# KiCad board gk.kicad_pcb (continued)
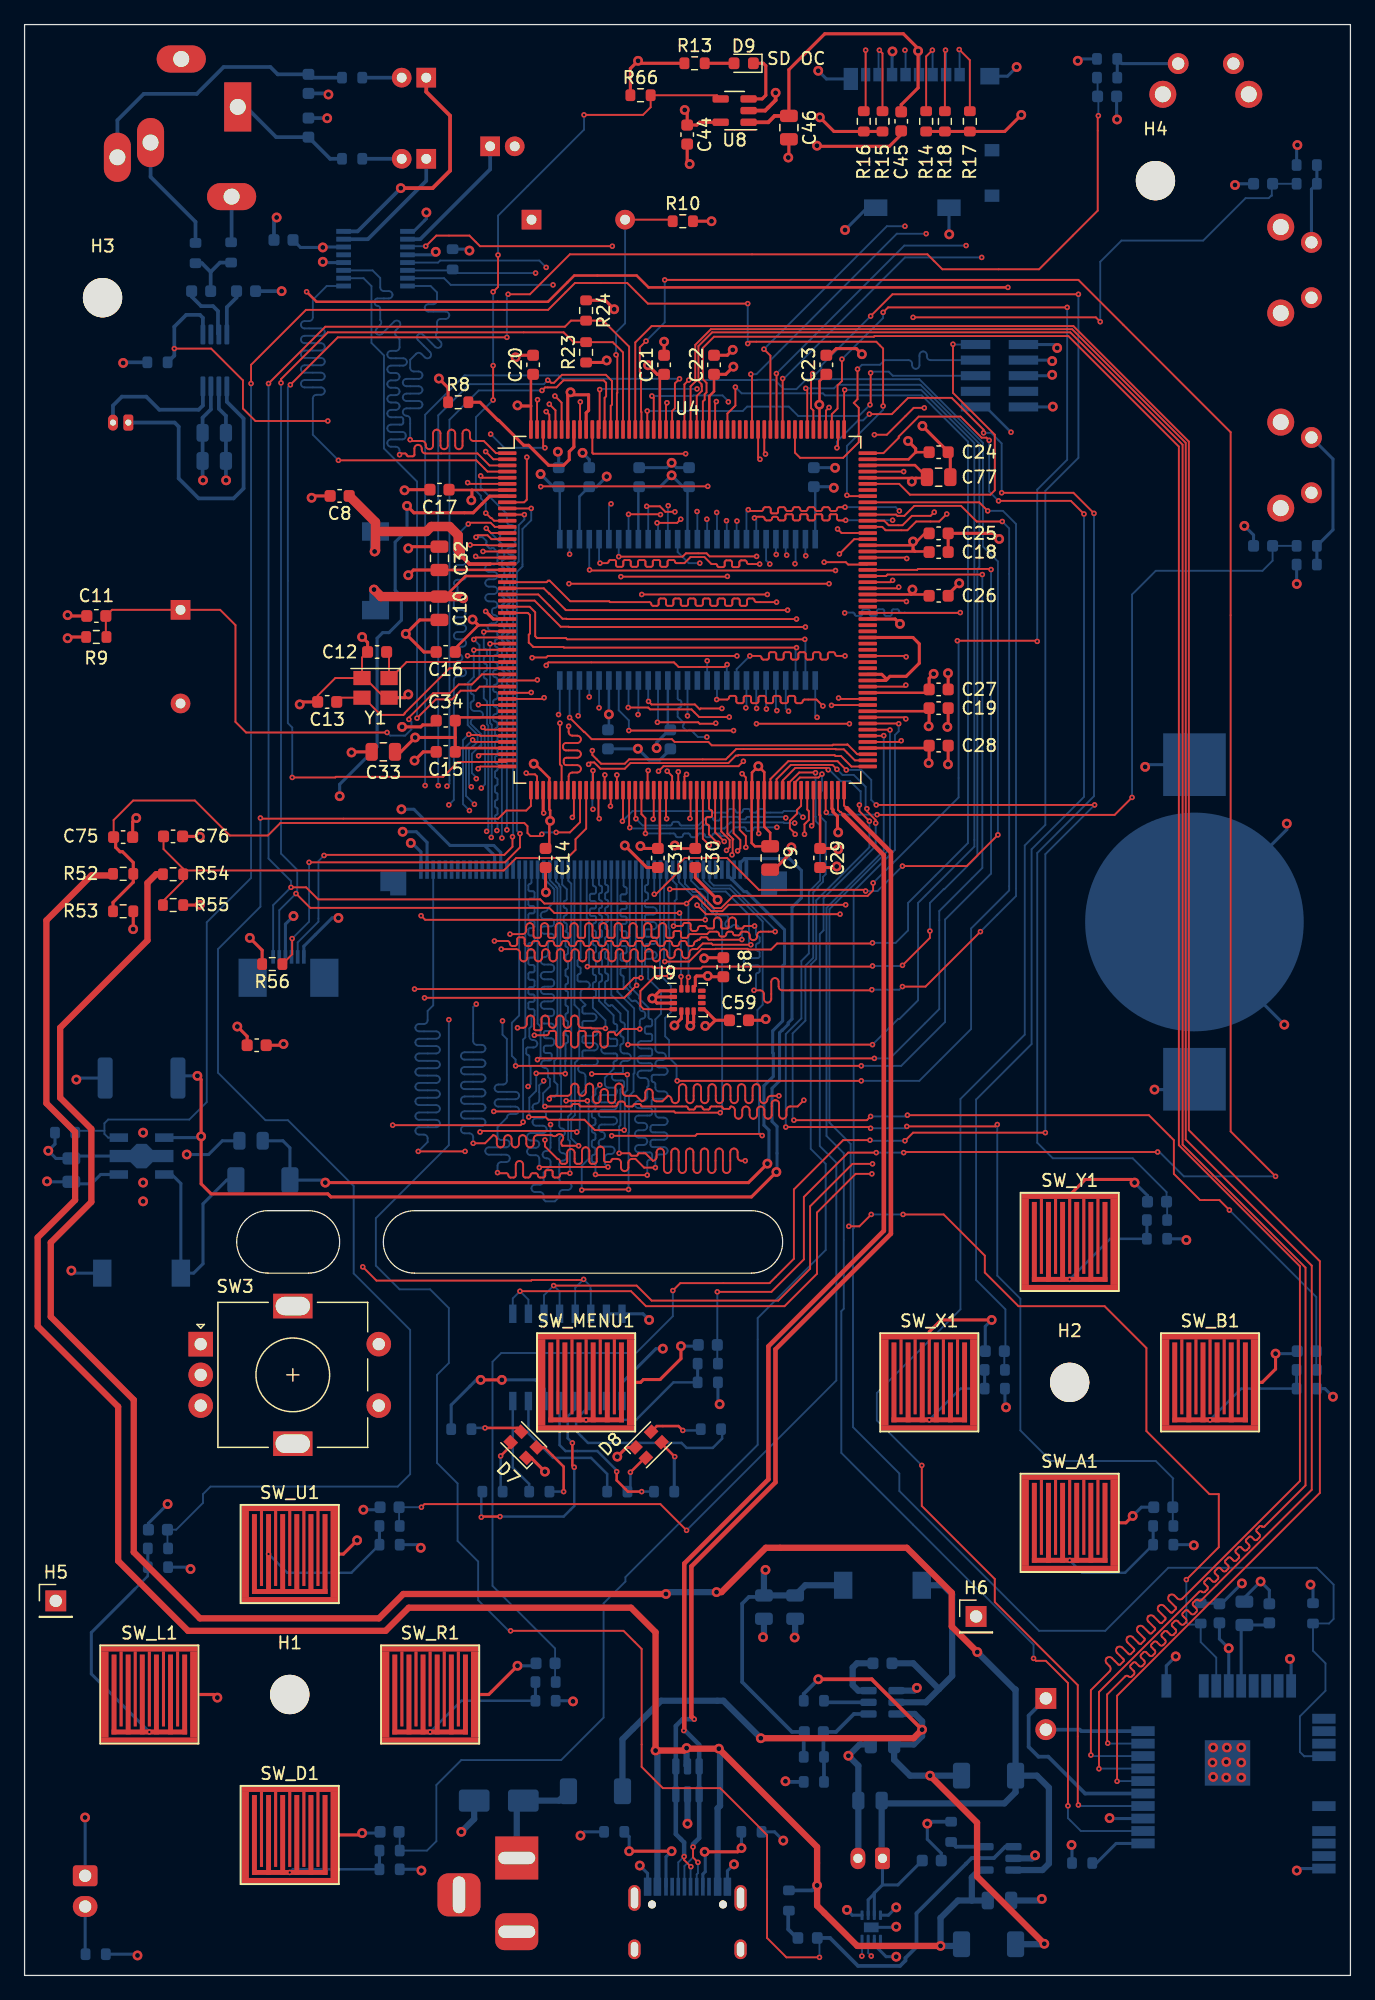
[diagram p0: board, top side]
## Routing (per net, layer and track width the routed paths; a pad name or vN(x,y) marks a point on that pad's centre or on a via; arc(x,y) is an arc through that point) (continued)
LTDC_G6: length 91.7
  Top w0.152: v2(36.76,117.04) 36.91,117.2 37.69,117.2 38.01,116.88 U4.15 ; v2(40.13,77.11) 40.59,77.11 arc(40.8,77.2) 40.89,77.41 40.89,77.81 arc(40.98,78.03) 41.19,78.11 arc(41.4,78.03) 41.49,77.81 41.49,77.01 arc(41.52,76.94) 41.59,76.91 41.99,76.91 arc(42.06,76.94) 42.09,77.01 42.09,77.81 arc(42.18,78.03) 42.39,78.11 arc(42.6,78.03) 42.69,77.81 42.69,77.41 arc(42.78,77.2) 42.99,77.11 arc(43.2,77.2) 43.29,77.41 43.29,77.81 arc(43.38,78.03) 43.59,78.11 arc(43.8,78.03) 43.89,77.81 43.89,77.41 arc(43.98,77.2) 44.19,77.11 arc(44.4,77.2) 44.49,77.41 44.49,77.81 arc(44.58,78.03) 44.79,78.11 arc(45,78.03) 45.09,77.81 45.09,77.41 arc(45.18,77.2) 45.39,77.11 46.13,77.11 46.18,77.06 v2(47.29,77.06)
  In3.Cu w0.152: v2(38.46,93.17) 38.46,92.15 38.71,91.9 38.71,87.53 38.76,87.48 38.76,86.41 40.13,85.04 40.13,83.97 arc(40.04,83.76) 39.83,83.67 39.53,83.67 arc(39.32,83.58) 39.23,83.37 arc(39.32,83.16) 39.53,83.07 39.83,83.07 arc(40.04,82.98) 40.13,82.77 arc(40.04,82.56) 39.83,82.47 39.48,82.47 arc(39.27,82.38) 39.18,82.17 arc(39.27,81.96) 39.48,81.87 39.83,81.87 arc(40.04,81.78) 40.13,81.57 arc(40.04,81.36) 39.83,81.27 39.48,81.27 arc(39.27,81.18) 39.18,80.97 arc(39.27,80.76) 39.48,80.67 39.83,80.67 arc(40.04,80.58) 40.13,80.37 arc(40.04,80.16) 39.83,80.07 39.48,80.07 arc(39.27,79.98) 39.18,79.77 arc(39.27,79.56) 39.48,79.47 39.83,79.47 arc(40.04,79.38) 40.13,79.17 arc(40.04,78.96) 39.83,78.87 39.48,78.87 arc(39.27,78.78) 39.18,78.57 arc(39.27,78.36) 39.48,78.27 39.83,78.27 arc(40.04,78.18) 40.13,77.97 v2(40.13,77.11)
  Bottom w0.152: v2(38.46,93.17) 38.51,93.22 38.51,93.73 arc(38.48,93.8) 38.41,93.83 arc(38.34,93.86) 38.31,93.93 38.31,94.33 arc(38.34,94.4) 38.41,94.43 arc(38.48,94.46) 38.51,94.53 38.51,94.93 arc(38.48,95) 38.41,95.03 arc(38.34,95.06) 38.31,95.13 38.31,95.53 arc(38.34,95.6) 38.41,95.63 arc(38.48,95.66) 38.51,95.73 38.51,96.13 arc(38.48,96.2) 38.41,96.23 arc(38.34,96.26) 38.31,96.33 38.31,96.73 arc(38.34,96.8) 38.41,96.83 arc(38.48,96.86) 38.51,96.93 38.51,97.33 arc(38.48,97.4) 38.41,97.43 arc(38.34,97.46) 38.31,97.53 38.31,97.93 arc(38.34,98) 38.41,98.03 arc(38.48,98.06) 38.51,98.13 38.51,98.53 arc(38.48,98.6) 38.41,98.63 arc(38.34,98.66) 38.31,98.73 38.31,99.13 arc(38.34,99.2) 38.41,99.23 arc(38.48,99.26) 38.51,99.33 38.51,99.73 arc(38.48,99.8) 38.41,99.83 arc(38.34,99.86) 38.31,99.93 38.31,100.33 arc(38.34,100.4) 38.41,100.43 arc(38.48,100.46) 38.51,100.53 38.51,100.81 arc(38.48,100.88) 38.41,100.91 arc(38.34,100.94) 38.31,101.01 38.31,101.41 arc(38.34,101.48) 38.41,101.51 arc(38.48,101.54) 38.51,101.61 38.51,101.86 arc(38.46,101.99) 38.33,102.04 arc(38.21,102.09) 38.16,102.21 38.16,102.46 arc(38.21,102.59) 38.33,102.64 arc(38.46,102.69) 38.51,102.81 38.51,103.06 arc(38.46,103.19) 38.33,103.24 arc(38.21,103.29) 38.16,103.41 38.16,103.66 arc(38.21,103.79) 38.33,103.84 arc(38.46,103.89) 38.51,104.01 38.51,104.26 arc(38.46,104.39) 38.33,104.44 arc(38.21,104.49) 38.16,104.61 38.16,104.86 arc(38.21,104.99) 38.33,105.04 arc(38.46,105.09) 38.51,105.21 38.51,105.46 arc(38.46,105.59) 38.33,105.64 arc(38.21,105.69) 38.16,105.81 38.16,106.06 arc(38.21,106.19) 38.33,106.24 arc(38.46,106.29) 38.51,106.41 38.51,106.66 arc(38.46,106.79) 38.33,106.84 arc(38.21,106.89) 38.16,107.01 38.16,107.26 arc(38.21,107.39) 38.33,107.44 arc(38.46,107.49) 38.51,107.61 38.51,108.01 arc(38.48,108.08) 38.41,108.11 arc(38.34,108.14) 38.31,108.21 38.31,108.61 arc(38.34,108.68) 38.41,108.71 arc(38.48,108.74) 38.51,108.81 38.51,109.11 arc(38.42,109.32) 38.21,109.41 38.01,109.41 arc(37.79,109.5) 37.71,109.71 arc(37.79,109.92) 38.01,110.01 38.21,110.01 arc(38.42,110.1) 38.51,110.31 38.51,110.46 arc(38.44,110.62) 38.28,110.69 arc(38.12,110.75) 38.06,110.91 38.06,111.06 arc(38.12,111.22) 38.28,111.29 arc(38.44,111.35) 38.51,111.51 arc(38.42,111.72) 38.21,111.81 37.81,111.81 arc(37.59,111.9) 37.51,112.11 arc(37.59,112.32) 37.81,112.41 38.21,112.41 arc(38.42,112.5) 38.51,112.71 arc(38.42,112.92) 38.21,113.01 37.81,113.01 arc(37.59,113.1) 37.51,113.31 arc(37.59,113.52) 37.81,113.61 38.21,113.61 arc(38.42,113.7) 38.51,113.91 arc(38.42,114.12) 38.21,114.21 37.81,114.21 arc(37.59,114.3) 37.51,114.51 arc(37.59,114.72) 37.81,114.81 38.21,114.81 arc(38.42,114.9) 38.51,115.11 38.51,115.82 38.19,116.14 arc(38.1,116.17) 38.02,116.14 arc(37.93,116.1) 37.84,116.14 37.59,116.38 arc(37.56,116.47) 37.59,116.56 arc(37.63,116.65) 37.59,116.74 37.29,117.04 v2(36.76,117.04) ; v2(47.29,77.06) 47.29,77.72 46.27,78.75 46.27,79.5 arc(46.31,79.59) 46.39,79.62 arc(46.48,79.66) 46.52,79.75 46.52,80.1 arc(46.48,80.19) 46.39,80.22 arc(46.31,80.26) 46.27,80.35 46.27,80.7 arc(46.31,80.79) 46.39,80.82 arc(46.48,80.86) 46.52,80.95 46.52,81.3 arc(46.48,81.39) 46.39,81.42 arc(46.31,81.46) 46.27,81.55 46.27,81.9 arc(46.31,81.99) 46.39,82.02 arc(46.48,82.06) 46.52,82.15 46.52,82.5 arc(46.48,82.59) 46.39,82.62 arc(46.31,82.66) 46.27,82.75 46.27,83.1 arc(46.31,83.19) 46.39,83.22 arc(46.48,83.26) 46.52,83.35 46.52,83.7 arc(46.48,83.79) 46.39,83.82 arc(46.31,83.86) 46.27,83.95 46.27,84.3 arc(46.31,84.39) 46.39,84.42 arc(46.48,84.46) 46.52,84.55 46.52,84.9 arc(46.48,84.99) 46.39,85.02 arc(46.31,85.06) 46.27,85.15 46.27,85.5 arc(46.31,85.59) 46.39,85.62 arc(46.48,85.66) 46.52,85.75 46.52,86.1 arc(46.48,86.19) 46.39,86.22 46.14,86.22 arc(46.06,86.26) 46.02,86.35 46.02,86.7 arc(46.06,86.79) 46.14,86.82 46.39,86.82 arc(46.48,86.86) 46.52,86.95 46.52,87.3 arc(46.48,87.39) 46.39,87.42 46.14,87.42 arc(46.06,87.46) 46.02,87.55 46.02,87.9 arc(46.06,87.99) 46.14,88.02 46.39,88.02 arc(46.48,88.06) 46.52,88.15 46.52,88.5 arc(46.48,88.59) 46.39,88.62 arc(46.31,88.66) 46.27,88.75 J3.26
LTDC_G7: length 98.6
  Top w0.152: v2(45.82,82.09) 51.1,82.09 51.21,81.99 52.93,81.99 52.98,81.94 55.07,81.94 55.22,82.09 68.98,82.09 v2(69.04,82.14) ; v2(73.71,84.99) 73.71,84.43 v2(71.48,82.19) ; U4.163 63.72,129.03 v2(63.6,129.15)
  Bottom w0.152: v2(63.6,129.15) 65.9,129.15 66.19,129.44 72.95,129.44 77.74,124.65 77.74,114.62 77.57,114.45 77.57,91.08 74.88,88.39 74.83,88.39 73.71,87.27 v2(73.71,84.99) ; v2(45.82,82.09) 45.96,82.23 45.96,85.86 45.77,86.05 J3.27 ; v2(71.48,82.19) 71.42,82.14 v2(69.04,82.14)
LTDC_HYSNC: length 92.6
  Top w0.152: v2(37.59,117.75) 37.97,117.38 U4.14
  In3.Cu w0.152: v2(41,72.34) 41,73.39 arc(40.91,73.6) 40.7,73.69 arc(40.48,73.77) 40.4,73.99 arc(40.48,74.2) 40.7,74.29 41.17,74.29 arc(41.29,74.34) 41.35,74.46 41.35,74.71 arc(41.29,74.83) 41.17,74.89 40.3,74.89 arc(40.08,74.97) 40,75.19 arc(40.08,75.4) 40.3,75.49 41.7,75.49 arc(41.91,75.57) 42,75.79 arc(41.91,76) 41.7,76.09 40.3,76.09 arc(40.08,76.17) 40,76.39 arc(40.08,76.6) 40.3,76.69 41.1,76.69 arc(41.17,76.72) 41.2,76.79 41.2,77.19 arc(41.17,77.26) 41.1,77.29 40.7,77.29 arc(40.48,77.37) 40.4,77.59 arc(40.48,77.8) 40.7,77.89 41.12,77.89 arc(41.21,77.92) 41.25,78.01 41.25,78.36 arc(41.21,78.45) 41.12,78.49 40.7,78.49 arc(40.48,78.57) 40.4,78.79 arc(40.48,79) 40.7,79.09 41.12,79.09 arc(41.21,79.12) 41.25,79.21 41.25,79.56 arc(41.21,79.65) 41.12,79.69 40.7,79.69 arc(40.48,79.77) 40.4,79.99 arc(40.48,80.2) 40.7,80.29 41.12,80.29 arc(41.21,80.32) 41.25,80.41 41.25,80.76 arc(41.21,80.85) 41.12,80.89 40.7,80.89 arc(40.48,80.97) 40.4,81.19 arc(40.48,81.4) 40.7,81.49 41.12,81.49 arc(41.21,81.52) 41.25,81.61 41.25,81.96 arc(41.21,82.05) 41.12,82.09 40.7,82.09 arc(40.48,82.17) 40.4,82.39 arc(40.48,82.6) 40.7,82.69 41.12,82.69 arc(41.21,82.72) 41.25,82.81 41.25,83.16 arc(41.21,83.25) 41.12,83.29 40.7,83.29 arc(40.48,83.37) 40.4,83.59 arc(40.48,83.8) 40.7,83.89 arc(40.91,83.97) 41,84.19 41,84.84 40.48,85.35 arc(40.41,85.38) 40.34,85.35 arc(40.27,85.32) 40.2,85.35 39.91,85.64 arc(39.88,85.71) 39.91,85.78 40.13,85.99 arc(40.18,86.13) 40.13,86.27 39.98,86.41 arc(39.84,86.47) 39.7,86.41 39.49,86.2 arc(39.42,86.17) 39.35,86.2 39.07,86.48 arc(39.04,86.55) 39.07,86.62 arc(39.09,86.7) 39.07,86.77 39.07,92 38.86,92.2 v2(38.86,92.56)
  Bottom w0.152: v2(41,72.34) 41.2,72.54 41.2,73.91 41.1,74.02 41.1,74.79 arc(41.06,74.88) 40.97,74.91 arc(40.88,74.95) 40.85,75.04 40.85,75.39 arc(40.88,75.48) 40.97,75.51 41.45,75.51 arc(41.66,75.6) 41.75,75.81 arc(41.66,76.03) 41.45,76.11 41.4,76.11 arc(41.19,76.2) 41.1,76.41 41.1,77.06 41.27,77.24 41.27,77.9 arc(41.31,77.99) 41.39,78.03 arc(41.48,78.06) 41.52,78.15 41.52,78.5 arc(41.48,78.59) 41.39,78.63 41.14,78.63 arc(41.06,78.66) 41.02,78.75 41.02,79.1 arc(41.06,79.19) 41.14,79.23 41.39,79.23 arc(41.48,79.26) 41.52,79.35 41.52,79.7 arc(41.48,79.79) 41.39,79.83 41.14,79.83 arc(41.06,79.86) 41.02,79.95 41.02,80.3 arc(41.06,80.39) 41.14,80.43 41.39,80.43 arc(41.48,80.46) 41.52,80.55 41.52,80.9 arc(41.48,80.99) 41.39,81.03 41.14,81.03 arc(41.06,81.06) 41.02,81.15 41.02,81.5 arc(41.06,81.59) 41.14,81.63 41.39,81.63 arc(41.48,81.66) 41.52,81.75 41.52,82.1 arc(41.48,82.19) 41.39,82.23 41.14,82.23 arc(41.06,82.26) 41.02,82.35 41.02,82.7 arc(41.06,82.79) 41.14,82.83 41.39,82.83 arc(41.48,82.86) 41.52,82.95 41.52,83.3 arc(41.48,83.39) 41.39,83.43 41.14,83.43 arc(41.06,83.46) 41.02,83.55 41.02,83.9 arc(41.06,83.99) 41.14,84.03 41.39,84.03 arc(41.48,84.06) 41.52,84.15 41.52,84.5 arc(41.48,84.59) 41.39,84.63 41.14,84.63 arc(41.06,84.66) 41.02,84.75 41.02,85.1 arc(41.06,85.19) 41.14,85.23 41.39,85.23 arc(41.48,85.26) 41.52,85.35 41.52,85.7 arc(41.48,85.79) 41.39,85.83 41.14,85.83 arc(41.06,85.86) 41.02,85.95 41.02,86.3 arc(41.06,86.39) 41.14,86.43 41.39,86.43 arc(41.48,86.46) 41.52,86.55 41.52,86.9 arc(41.48,86.99) 41.39,87.03 41.14,87.03 arc(41.06,87.06) 41.02,87.15 41.02,87.5 arc(41.06,87.59) 41.14,87.63 41.39,87.63 arc(41.48,87.66) 41.52,87.75 41.52,88.1 arc(41.48,88.19) 41.39,88.23 41.14,88.23 arc(41.06,88.26) 41.02,88.35 41.02,88.7 arc(41.06,88.79) 41.14,88.83 arc(41.23,88.86) 41.27,88.95 J3.36 ; v2(37.59,117.75) 38.86,116.48 38.86,115.87 arc(38.89,115.8) 38.96,115.77 arc(39.03,115.75) 39.06,115.67 39.06,115.27 arc(39.03,115.2) 38.96,115.17 arc(38.89,115.15) 38.86,115.07 38.86,114.67 arc(38.89,114.6) 38.96,114.57 arc(39.03,114.55) 39.06,114.47 39.06,114.07 arc(39.03,114) 38.96,113.97 arc(38.89,113.95) 38.86,113.87 38.86,113.47 arc(38.89,113.4) 38.96,113.37 arc(39.03,113.35) 39.06,113.27 39.06,112.87 arc(39.03,112.8) 38.96,112.77 arc(38.89,112.75) 38.86,112.67 38.86,112.27 arc(38.89,112.2) 38.96,112.17 arc(39.03,112.15) 39.06,112.07 39.06,111.67 arc(39.03,111.6) 38.96,111.57 arc(38.89,111.55) 38.86,111.47 38.86,111.07 arc(38.89,111) 38.96,110.97 arc(39.03,110.95) 39.06,110.87 39.06,110.47 arc(39.03,110.4) 38.96,110.37 arc(38.89,110.35) 38.86,110.27 38.86,109.87 arc(38.89,109.8) 38.96,109.77 arc(39.03,109.75) 39.06,109.67 39.06,109.27 arc(39.03,109.2) 38.96,109.17 arc(38.89,109.15) 38.86,109.07 38.86,108.67 arc(38.89,108.6) 38.96,108.57 arc(39.03,108.55) 39.06,108.47 39.06,108.07 arc(39.03,108) 38.96,107.97 arc(38.89,107.95) 38.86,107.87 38.86,107.47 arc(38.89,107.4) 38.96,107.37 arc(39.03,107.35) 39.06,107.27 39.06,106.87 arc(39.03,106.8) 38.96,106.77 arc(38.89,106.75) 38.86,106.67 38.86,106.27 arc(38.89,106.2) 38.96,106.17 arc(39.03,106.15) 39.06,106.07 39.06,105.67 arc(39.03,105.6) 38.96,105.57 arc(38.89,105.55) 38.86,105.47 38.86,105.07 arc(38.89,105) 38.96,104.97 arc(39.03,104.95) 39.06,104.87 39.06,104.47 arc(39.03,104.4) 38.96,104.37 arc(38.89,104.35) 38.86,104.27 v2(38.86,92.56)
LTDC_R0: length 92.4
  Top w0.152: v2(44.96,68.63) 44.87,68.72 37.17,68.72 v2(37.08,68.63) ; v2(36.48,100.54) 36.64,100.38 U4.48
  In3.Cu w0.152: v2(37.08,68.63) 37.54,69.09 37.54,69.88 arc(37.45,70.09) 37.24,70.18 36.84,70.18 arc(36.63,70.27) 36.54,70.48 arc(36.63,70.69) 36.84,70.78 37.74,70.78 arc(37.88,70.84) 37.94,70.98 37.94,71.18 arc(37.88,71.32) 37.74,71.38 36.84,71.38 arc(36.63,71.47) 36.54,71.68 arc(36.63,71.89) 36.84,71.98 37.74,71.98 arc(37.88,72.04) 37.94,72.18 37.94,72.38 arc(37.88,72.52) 37.74,72.58 36.84,72.58 arc(36.63,72.67) 36.54,72.88 arc(36.63,73.09) 36.84,73.18 37.74,73.18 arc(37.88,73.24) 37.94,73.38 37.94,73.58 arc(37.88,73.72) 37.74,73.78 36.84,73.78 arc(36.63,73.87) 36.54,74.08 arc(36.63,74.29) 36.84,74.38 37.74,74.38 arc(37.88,74.44) 37.94,74.58 37.94,74.78 arc(37.88,74.92) 37.74,74.98 36.84,74.98 arc(36.63,75.07) 36.54,75.28 arc(36.63,75.49) 36.84,75.58 37.74,75.58 arc(37.88,75.64) 37.94,75.78 37.94,75.98 arc(37.88,76.12) 37.74,76.18 36.84,76.18 arc(36.63,76.27) 36.54,76.48 arc(36.63,76.69) 36.84,76.78 37.74,76.78 arc(37.88,76.84) 37.94,76.98 37.94,77.18 arc(37.88,77.32) 37.74,77.38 36.84,77.38 arc(36.63,77.47) 36.54,77.68 arc(36.63,77.89) 36.84,77.98 37.24,77.98 arc(37.45,78.07) 37.54,78.28 37.54,79.15 36.36,80.33 36.36,93.79 36.65,94.08 36.65,95.28 v2(36.63,95.3)
  Bottom w0.152: v2(36.48,100.54) 35.94,99.99 35.94,95.99 v2(36.63,95.3) ; v2(44.96,68.63) 45.2,68.87 45.2,71.63 45.67,72.1 45.67,73.17 arc(45.58,73.38) 45.37,73.47 arc(45.16,73.56) 45.07,73.77 arc(45.16,73.98) 45.37,74.07 46.37,74.07 arc(46.58,74.16) 46.67,74.37 arc(46.58,74.58) 46.37,74.67 45.54,74.67 arc(45.46,74.71) 45.42,74.79 45.42,75.14 arc(45.46,75.23) 45.54,75.27 46.37,75.27 arc(46.58,75.36) 46.67,75.57 arc(46.58,75.78) 46.37,75.87 45.54,75.87 arc(45.46,75.91) 45.42,75.99 45.42,76.34 arc(45.46,76.43) 45.54,76.47 46.37,76.47 arc(46.58,76.56) 46.67,76.77 arc(46.58,76.98) 46.37,77.07 45.54,77.07 arc(45.46,77.11) 45.42,77.19 45.42,77.54 arc(45.46,77.63) 45.54,77.67 46.27,77.67 arc(46.48,77.76) 46.57,77.97 arc(46.48,78.18) 46.27,78.27 45.54,78.27 arc(45.46,78.31) 45.42,78.39 45.42,78.74 arc(45.46,78.83) 45.54,78.87 arc(45.63,78.91) 45.67,78.99 45.27,79.39 45.27,79.98 arc(45.36,80.19) 45.57,80.28 45.72,80.28 arc(45.93,80.37) 46.02,80.58 arc(45.93,80.79) 45.72,80.88 45.14,80.88 arc(45.06,80.92) 45.02,81 45.02,81.35 arc(45.06,81.44) 45.14,81.48 arc(45.23,81.52) 45.27,81.6 45.27,81.95 arc(45.23,82.04) 45.14,82.08 arc(45.06,82.12) 45.02,82.2 45.02,82.55 arc(45.06,82.64) 45.14,82.68 arc(45.23,82.72) 45.27,82.8 J3.28
LTDC_R1: length 99.6
  Top w0.152: v2(45.11,67.51) 43.79,67.51 43.77,67.53 arc(43.69,67.74) 43.77,67.95 arc(43.86,68.16) 43.77,68.38 arc(43.56,68.46) 43.35,68.38 arc(43.14,68.29) 42.93,68.38 41.75,68.38 arc(41.54,68.29) 41.45,68.08 41.45,67.68 arc(41.36,67.46) 41.15,67.38 arc(40.94,67.46) 40.85,67.68 40.85,68.08 arc(40.76,68.29) 40.55,68.38 arc(40.34,68.29) 40.25,68.08 40.25,67.68 arc(40.16,67.46) 39.95,67.38 arc(39.74,67.46) 39.65,67.68 39.65,68.08 arc(39.56,68.29) 39.35,68.38 arc(39.14,68.29) 39.05,68.08 39.05,67.68 arc(38.96,67.46) 38.75,67.38 arc(38.54,67.46) 38.45,67.68 38.45,68.08 arc(38.36,68.29) 38.15,68.38 37.49,67.72 v2(36.53,67.72) ; U4.47 37.1,100.88 37.03,100.94 36.22,100.94 v2(36.17,100.99)
  In3.Cu w0.152: v2(36.78,79.04) 36.12,79.71 arc(36.07,79.81) 35.97,79.86 arc(35.86,79.9) 35.82,80.01 35.82,80.31 arc(35.86,80.41) 35.97,80.46 arc(36.07,80.5) 36.12,80.61 36.12,80.91 arc(36.07,81.01) 35.97,81.06 arc(35.86,81.1) 35.82,81.21 35.82,81.51 arc(35.86,81.61) 35.97,81.66 arc(36.07,81.7) 36.12,81.81 36.12,82.11 arc(36.07,82.21) 35.97,82.26 arc(35.86,82.3) 35.82,82.41 35.82,82.71 arc(35.86,82.81) 35.97,82.86 arc(36.07,82.9) 36.12,83.01 36.12,83.31 arc(36.07,83.41) 35.97,83.46 arc(35.86,83.5) 35.82,83.61 35.82,83.91 arc(35.86,84.01) 35.97,84.06 arc(36.07,84.1) 36.12,84.21 36.12,84.51 arc(36.07,84.61) 35.97,84.66 arc(35.86,84.7) 35.82,84.81 35.82,85.11 arc(35.86,85.21) 35.97,85.26 arc(36.07,85.3) 36.12,85.41 36.12,85.71 arc(36.07,85.81) 35.97,85.86 arc(35.86,85.9) 35.82,86.01 35.82,86.31 arc(35.86,86.41) 35.97,86.46 arc(36.07,86.5) 36.12,86.61 36.12,86.91 arc(36.07,87.01) 35.97,87.06 arc(35.86,87.1) 35.82,87.21 35.82,87.51 arc(35.86,87.61) 35.97,87.66 arc(36.07,87.7) 36.12,87.81 36.12,88.11 arc(36.07,88.21) 35.97,88.26 arc(35.86,88.3) 35.82,88.41 35.82,88.71 arc(35.86,88.81) 35.97,88.86 arc(36.07,88.9) 36.12,89.01 36.12,89.31 arc(36.07,89.41) 35.97,89.46 arc(35.86,89.5) 35.82,89.61 35.82,89.91 arc(35.86,90.01) 35.97,90.06 arc(36.07,90.1) 36.12,90.21 36.12,90.51 arc(36.07,90.61) 35.97,90.66 arc(35.86,90.7) 35.82,90.81 35.82,91.11 arc(35.86,91.21) 35.97,91.26 arc(36.07,91.3) 36.12,91.41 36.12,91.71 arc(36.07,91.81) 35.97,91.86 arc(35.86,91.9) 35.82,92.01 35.82,92.31 arc(35.86,92.41) 35.97,92.46 arc(36.07,92.5) 36.12,92.61 36.12,92.91 arc(36.07,93.01) 35.97,93.06 arc(35.86,93.1) 35.82,93.21 35.82,93.51 arc(35.86,93.61) 35.97,93.66 arc(36.07,93.7) 36.12,93.81 36.12,94.69 v2(36.22,94.79)
  Bottom w0.152: v2(36.53,67.72) 36.53,68.22 arc(36.44,68.44) 36.23,68.52 35.83,68.52 arc(35.61,68.61) 35.53,68.82 arc(35.61,69.04) 35.83,69.12 37.23,69.12 arc(37.44,69.21) 37.53,69.42 arc(37.44,69.64) 37.23,69.72 35.83,69.72 arc(35.61,69.81) 35.53,70.02 arc(35.61,70.24) 35.83,70.32 37.23,70.32 arc(37.44,70.41) 37.53,70.62 arc(37.44,70.84) 37.23,70.92 35.83,70.92 arc(35.61,71.01) 35.53,71.22 arc(35.61,71.44) 35.83,71.52 37.23,71.52 arc(37.44,71.61) 37.53,71.82 arc(37.44,72.04) 37.23,72.12 35.83,72.12 arc(35.61,72.21) 35.53,72.42 arc(35.61,72.64) 35.83,72.72 37.23,72.72 arc(37.44,72.81) 37.53,73.02 arc(37.44,73.24) 37.23,73.32 35.83,73.32 arc(35.61,73.41) 35.53,73.62 arc(35.61,73.84) 35.83,73.92 37.23,73.92 arc(37.44,74.01) 37.53,74.22 arc(37.44,74.44) 37.23,74.52 35.83,74.52 arc(35.61,74.61) 35.53,74.82 arc(35.61,75.04) 35.83,75.12 37.23,75.12 arc(37.44,75.21) 37.53,75.42 arc(37.44,75.64) 37.23,75.72 36.83,75.72 arc(36.61,75.81) 36.53,76.02 36.53,78.79 v2(36.78,79.04) ; v2(45.11,67.51) 44.5,68.12 44.5,69.7 44.81,70 44.81,74.27 45.16,74.63 45.16,78.59 44.77,78.98 J3.29 ; v2(36.22,94.79) 35.7,95.32 35.7,100.52 v2(36.17,100.99)
LTDC_R2: length 91.9
  Top w0.152: v2(44.4,65.28) 43.77,65.28 arc(43.64,65.23) 43.59,65.1 arc(43.54,64.98) 43.42,64.93 43.17,64.93 arc(43.04,64.98) 42.99,65.1 42.99,65.4 arc(42.96,65.49) 42.87,65.53 42.52,65.53 arc(42.43,65.49) 42.39,65.4 42.39,65.1 arc(42.34,64.98) 42.22,64.93 41.97,64.93 arc(41.84,64.98) 41.79,65.1 arc(41.74,65.23) 41.62,65.28 41.37,65.28 arc(41.24,65.23) 41.19,65.1 arc(41.14,64.98) 41.02,64.93 40.77,64.93 arc(40.64,64.98) 40.59,65.1 40.59,65.98 arc(40.5,66.19) 40.29,66.28 arc(40.08,66.19) 39.99,65.98 39.99,65.1 arc(39.94,64.98) 39.82,64.93 39.57,64.93 arc(39.44,64.98) 39.39,65.1 arc(39.34,65.23) 39.22,65.28 38.56,65.28 v2(38.51,65.33) ; U4.46 37.5,101.38 v2(37.31,101.56)
  In3.Cu w0.152: v2(37.19,96.62) 37.19,96.01 37.69,95.5 37.69,94.37 36.84,93.52 36.84,92 36.94,91.9 36.94,91.19 arc(36.99,91.08) 37.09,91.04 arc(37.2,90.99) 37.24,90.89 37.24,90.59 arc(37.2,90.48) 37.09,90.44 arc(36.99,90.39) 36.94,90.29 36.94,89.99 arc(36.99,89.88) 37.09,89.84 arc(37.2,89.79) 37.24,89.69 37.24,89.39 arc(37.2,89.28) 37.09,89.24 arc(36.99,89.19) 36.94,89.09 36.94,88.79 arc(36.99,88.68) 37.09,88.64 arc(37.2,88.59) 37.24,88.49 37.24,88.19 arc(37.2,88.08) 37.09,88.04 arc(36.99,87.99) 36.94,87.89 36.94,87.59 arc(36.99,87.48) 37.09,87.44 arc(37.2,87.39) 37.24,87.29 37.24,86.99 arc(37.2,86.88) 37.09,86.84 arc(36.99,86.79) 36.94,86.69 36.94,86.39 arc(36.99,86.28) 37.09,86.24 arc(37.2,86.19) 37.24,86.09 37.24,85.79 arc(37.2,85.68) 37.09,85.64 arc(36.99,85.59) 36.94,85.49 36.94,84.11 arc(37.01,83.95) 36.94,83.79 arc(36.88,83.64) 36.94,83.48 37.05,83.37 arc(37.21,83.3) 37.37,83.37 37.74,83.74 arc(37.95,83.83) 38.16,83.74 arc(38.25,83.53) 38.16,83.32 37.79,82.95 arc(37.73,82.79) 37.79,82.63 37.9,82.52 arc(38.06,82.46) 38.22,82.52 arc(38.38,82.59) 38.53,82.52 38.91,82.14 38.91,81.49 arc(38.85,81.33) 38.69,81.27 arc(38.53,81.2) 38.46,81.04 38.46,80.89 arc(38.53,80.73) 38.69,80.67 arc(38.85,80.6) 38.91,80.44 38.91,80.29 arc(38.85,80.13) 38.69,80.07 arc(38.53,80) 38.46,79.84 38.46,79.69 arc(38.53,79.53) 38.69,79.47 arc(38.85,79.4) 38.91,79.24 v2(38.91,77.67)
  Bottom w0.152: v2(38.51,65.33) 38.51,65.89 arc(38.59,66.1) 38.81,66.19 39.21,66.19 arc(39.42,66.28) 39.51,66.49 arc(39.42,66.7) 39.21,66.79 37.81,66.79 arc(37.59,66.88) 37.51,67.09 arc(37.59,67.3) 37.81,67.39 39.21,67.39 arc(39.42,67.48) 39.51,67.69 arc(39.42,67.9) 39.21,67.99 38.81,67.99 arc(38.59,68.08) 38.51,68.29 38.51,69.04 39.27,69.8 arc(39.36,70.01) 39.57,70.1 39.97,70.1 arc(40.18,70.19) 40.27,70.4 arc(40.18,70.61) 39.97,70.7 38.57,70.7 arc(38.36,70.79) 38.27,71 arc(38.36,71.21) 38.57,71.3 39.97,71.3 arc(40.18,71.39) 40.27,71.6 arc(40.18,71.81) 39.97,71.9 38.57,71.9 arc(38.36,71.99) 38.27,72.2 arc(38.36,72.41) 38.57,72.5 38.97,72.5 arc(39.18,72.59) 39.27,72.8 39.27,76.2 38.91,76.56 v2(38.91,77.67) ; J3.30 44.27,89.08 44.51,88.84 44.51,70.15 44.26,69.9 44.26,68.02 44.4,67.88 v2(44.4,65.28) ; v2(37.19,96.62) 37.49,96.93 37.49,100.15 37.46,100.18 37.46,101.41 v2(37.31,101.56)
LTDC_R3: length 94.2
  Top w0.152: v2(48.82,68.78) 46.43,68.78 45.58,69.63 42.64,69.63 42.42,69.85 v2(41.05,69.85) ; v2(41.66,73.41) 43.99,73.41 v2(44.02,73.37) ; v2(46.28,98.04) 46.28,96.5 ; v2(49.07,73.3) 49.02,73.36 v2(46.18,73.36)
  In3.Cu w0.152: 46.28,73.46 46.28,74.65 arc(46.32,74.74) 46.4,74.78 arc(46.49,74.81) 46.53,74.9 46.53,75.25 arc(46.49,75.34) 46.4,75.38 45.58,75.38 arc(45.37,75.46) 45.28,75.68 arc(45.37,75.89) 45.58,75.98 46.4,75.98 arc(46.49,76.01) 46.53,76.1 46.53,76.45 arc(46.49,76.54) 46.4,76.58 45.58,76.58 arc(45.37,76.66) 45.28,76.88 arc(45.37,77.09) 45.58,77.18 46.4,77.18 arc(46.49,77.21) 46.53,77.3 46.53,77.65 arc(46.49,77.74) 46.4,77.78 45.73,77.78 arc(45.52,77.86) 45.43,78.08 arc(45.52,78.29) 45.73,78.38 46.4,78.38 arc(46.49,78.41) 46.53,78.5 46.53,78.85 arc(46.49,78.94) 46.4,78.98 45.58,78.98 arc(45.37,79.06) 45.28,79.28 arc(45.37,79.49) 45.58,79.58 46.4,79.58 arc(46.49,79.61) 46.53,79.7 46.53,80.05 arc(46.49,80.14) 46.4,80.18 45.58,80.18 arc(45.37,80.26) 45.28,80.48 arc(45.37,80.69) 45.58,80.78 45.98,80.78 arc(46.19,80.86) 46.28,81.08 46.28,81.33 arc(46.32,81.42) 46.4,81.46 arc(46.49,81.49) 46.53,81.58 46.53,81.93 arc(46.49,82.02) 46.4,82.06 arc(46.32,82.09) 46.28,82.18 46.28,83.36 arc(46.19,83.58) 45.98,83.66 45.58,83.66 arc(45.37,83.75) 45.28,83.96 arc(45.37,84.18) 45.58,84.26 46.4,84.26 arc(46.49,84.3) 46.53,84.39 46.53,84.74 arc(46.49,84.83) 46.4,84.86 45.58,84.86 arc(45.37,84.95) 45.28,85.16 arc(45.37,85.38) 45.58,85.46 46.4,85.46 arc(46.49,85.5) 46.53,85.59 46.53,85.94 arc(46.49,86.03) 46.4,86.06 45.58,86.06 arc(45.37,86.15) 45.28,86.36 arc(45.37,86.58) 45.58,86.66 46.4,86.66 arc(46.49,86.7) 46.53,86.79 46.53,87.14 arc(46.49,87.23) 46.4,87.26 45.58,87.26 arc(45.37,87.35) 45.28,87.56 arc(45.37,87.78) 45.58,87.86 46.4,87.86 arc(46.49,87.9) 46.53,87.99 46.53,88.34 arc(46.49,88.43) 46.4,88.46 45.58,88.46 arc(45.37,88.55) 45.28,88.76 arc(45.37,88.98) 45.58,89.06 46.4,89.06 arc(46.49,89.1) 46.53,89.19 46.53,89.54 arc(46.49,89.63) 46.4,89.66 45.58,89.66 arc(45.37,89.75) 45.28,89.96 arc(45.37,90.18) 45.58,90.26 46.4,90.26 arc(46.49,90.3) 46.53,90.39 46.53,90.74 arc(46.49,90.83) 46.4,90.86 45.58,90.86 arc(45.37,90.95) 45.28,91.16 arc(45.37,91.38) 45.58,91.46 46.4,91.46 arc(46.49,91.5) 46.53,91.59 46.53,91.94 arc(46.49,92.03) 46.4,92.06 45.58,92.06 arc(45.37,92.15) 45.28,92.36 arc(45.37,92.58) 45.58,92.66 45.98,92.66 arc(46.19,92.75) 46.28,92.96 v2(46.28,94.89)
  Bottom w0.152: v2(41.05,69.85) 41.1,69.9 41.1,71.42 41.66,71.98 v2(41.66,73.41) ; J3.31 43.77,88.77 44.15,88.39 44.15,87.58 arc(44.11,87.49) 44.02,87.45 arc(43.93,87.42) 43.9,87.33 43.9,86.98 arc(43.93,86.89) 44.02,86.85 arc(44.11,86.82) 44.15,86.73 44.15,86.38 arc(44.11,86.29) 44.02,86.25 arc(43.93,86.22) 43.9,86.13 43.9,85.78 arc(43.93,85.69) 44.02,85.65 arc(44.11,85.62) 44.15,85.53 44.15,85.09 44.04,84.99 arc(44.07,84.92) 44.14,84.89 arc(44.21,84.86) 44.24,84.79 44.24,84.39 arc(44.21,84.32) 44.14,84.29 arc(44.07,84.26) 44.04,84.19 44.04,83.79 arc(44.07,83.72) 44.14,83.69 arc(44.21,83.66) 44.24,83.59 44.24,83.19 arc(44.21,83.12) 44.14,83.09 arc(44.07,83.06) 44.04,82.99 44.04,82.59 arc(44.07,82.52) 44.14,82.49 arc(44.21,82.46) 44.24,82.39 44.24,81.99 arc(44.21,81.92) 44.14,81.89 arc(44.07,81.86) 44.04,81.79 44.04,81.39 arc(44.07,81.32) 44.14,81.29 arc(44.21,81.26) 44.24,81.19 44.24,80.79 arc(44.21,80.72) 44.14,80.69 arc(44.07,80.66) 44.04,80.59 44.04,80.19 arc(44.07,80.12) 44.14,80.09 arc(44.21,80.06) 44.24,79.99 44.24,79.59 arc(44.21,79.52) 44.14,79.49 arc(44.07,79.46) 44.04,79.39 44.04,78.99 arc(44.07,78.92) 44.14,78.89 arc(44.21,78.86) 44.24,78.79 44.24,78.39 arc(44.21,78.32) 44.14,78.29 arc(44.07,78.26) 44.04,78.19 44.04,77.79 arc(44.07,77.72) 44.14,77.69 arc(44.21,77.66) 44.24,77.59 44.24,77.19 arc(44.21,77.12) 44.14,77.09 arc(44.07,77.06) 44.04,76.99 44.04,76.59 arc(44.07,76.52) 44.14,76.49 arc(44.21,76.46) 44.24,76.39 44.24,75.99 arc(44.21,75.92) 44.14,75.89 arc(44.07,75.86) 44.04,75.79 44.04,74.42 44.02,74.4 v2(44.02,73.37) ; v2(49.07,73.3) 49.07,72.03 48.87,71.83 48.87,68.83 v2(48.82,68.78) ; v2(46.28,94.89) 46.23,94.95 46.23,97.99 v2(46.28,98.04)
